# Allegro board zp-dic_pda_8ch_board_v001_166_20241018_1809.brd (continued)
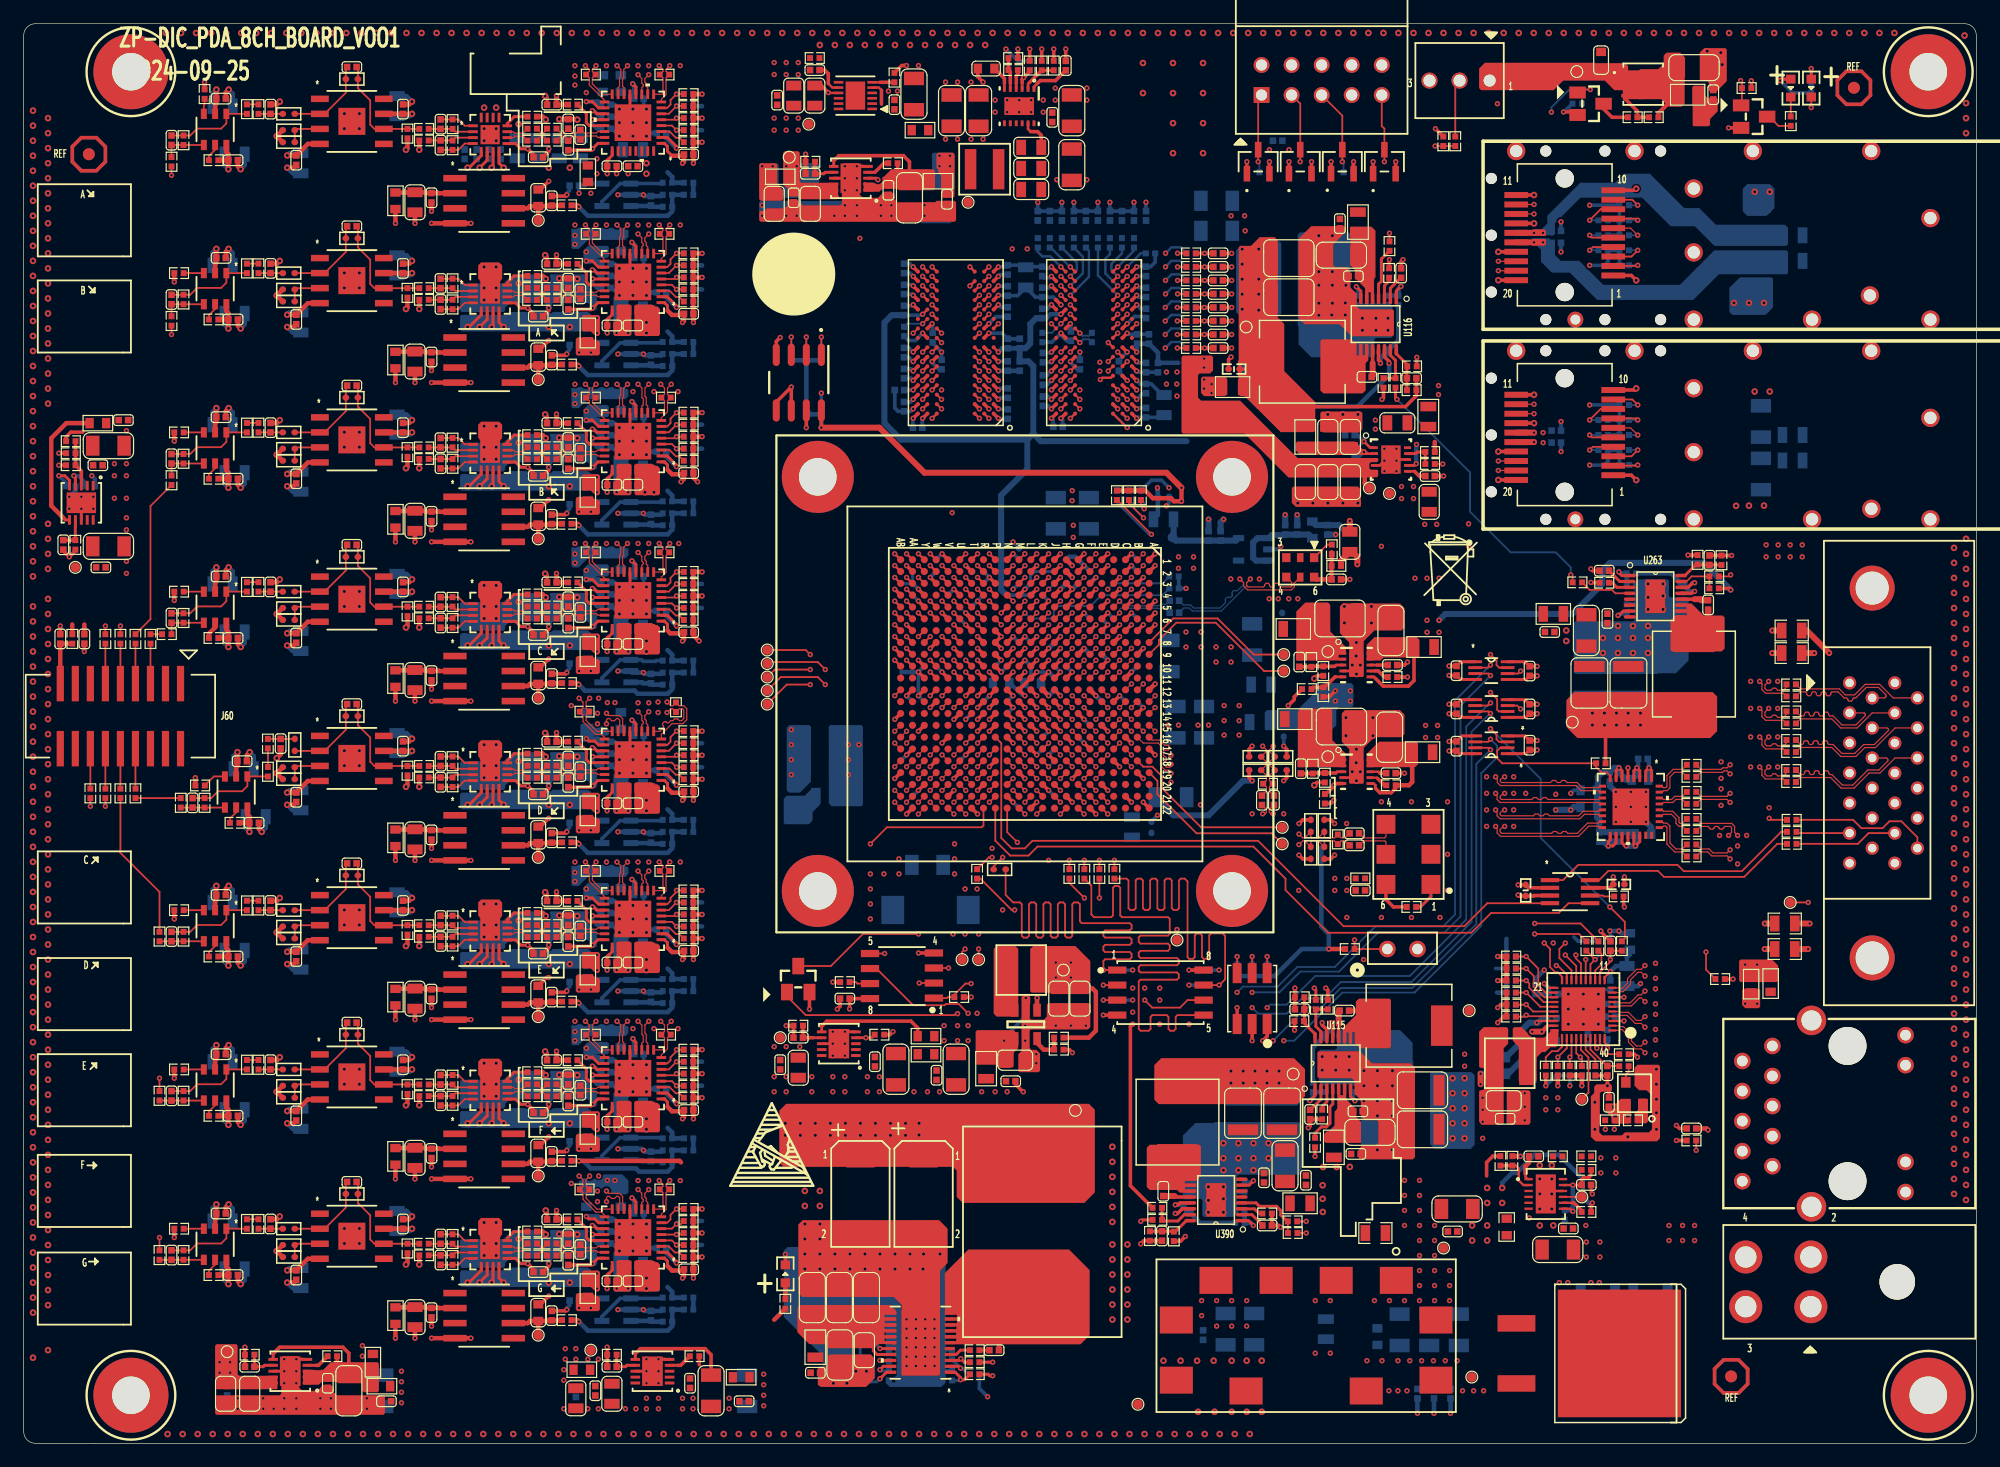
[diagram p0: board, top side]
## Routing (per net, layer and track width the routed paths; a pad name or vN(x,y) marks a point on that pad's centre or on a via; arc(x,y) is an arc through that point) (continued)
ADC7_VCM_OUT: length 10.1
  TOP w0.254: U360.9 41.56,109.87 42.01,109.42 v1(42.59,109.42)
  TOP w0.305: v1(42.59,109.42) 43.08,108.93 C3232.1
  TOP w0.381: v1(45.02,113.92) C3367.2 R3152.2
  ART08 w0.381: v1(45.02,113.92) 42.59,111.49 v1(42.59,109.42)
ADC7_VIO: length 6.8
  TOP w0.254: U384.12 51.74,114.04 51.74,114.64 v1(51.46,114.92)
  BOTTOM w0.381: R3144.1 R3146.1 R3148.1 57.32,111 ; R3144.1 R3142.1 ; R3144.1 57.32,113.03 ; v1(51.46,114.92) 51.59,114.79 C3362.2
ADC7_VREF: length 11.4
  TOP w0.381: R2198.2 46.78,104.65 v1(46.91,104.52)
  BOTTOM w0.381: v1(46.91,104.52) 47.67,103.76 54.42,103.76 54.8,104.14 R3154.2 R3156.1 R3158.1
ADC8_CLK_N: length 104.7
  TOP w0.102: U1.B13 v1(93.61,62.19) ; U387.16 48.45,19.8 47.52,20.73 47.52,21.19 R3160.1 47.52,21.74 47.52,22.29 v1(47.83,22.59)
  ART03 w0.102: v1(93.61,62.19) 93.23,62.19 93.13,62.29 93.13,62.48 93.34,62.69 94.23,62.69 95.13,63.59 95.96,63.59 96.06,63.49 101.01,63.49 101.87,62.62 101.87,50.46 99.21,47.79 99.21,42.59 97.56,40.94 97.56,34.84 89.9,27.18 79.17,27.18 76.12,24.13 65.38,24.13 60.63,19.38 54.27,19.38 54.11,19.53 50.91,19.53 50.71,19.74 50.5,19.74 50.3,19.53 50.1,19.53 49.89,19.74 49.69,19.74 49.49,19.53 48.71,19.53 47.58,20.66 47.58,22.35 v1(47.83,22.59)
ADC8_CLK_P: length 106.6
  TOP w0.102: U387.17 49.08,19.29 48.83,19.55 48.34,19.55 47.27,20.62 47.27,21.19 R3160.2 47.27,21.74 47.27,22.26 v1(46.94,22.59) ; U1.C13 v1(92.61,62.19)
  ART03 w0.102: v1(92.61,62.19) 92.83,62.19 92.93,62.29 92.93,62.56 93.26,62.89 94.15,62.89 95.05,63.79 96.04,63.79 96.14,63.89 101.18,63.89 102.28,62.79 102.28,50.29 99.61,47.63 99.61,42.42 97.96,40.77 97.96,34.67 90.06,26.77 79.34,26.77 76.29,23.72 65.54,23.72 60.79,18.97 54.1,18.97 53.95,19.13 48.54,19.13 47.18,20.49 47.18,22.35 v1(46.94,22.59)
ADC8_CNV_N: length 103.9
  TOP w0.102: v1(54.59,22.21) 54.28,21.89 54.28,21.74 R3159.1 54.28,21.19 54.28,19.76 53.88,19.37 U387.8 ; U1.D14 v1(91.61,61.19)
  ART03 w0.102: v1(91.61,61.19) 91.18,61.19 91.08,61.29 91.08,61.49 91.18,61.6 96.01,61.6 96.03,61.57 96.07,61.57 96.08,61.58 96.22,61.58 96.31,61.49 97.58,61.49 98.19,60.88 98.19,60.49 98.6,60.08 98.6,50.42 98.47,50.29 98.19,50.29 98.04,50.14 98.04,49.86 97.9,49.72 97.62,49.72 97.47,49.57 97.47,49.29 97.32,49.14 97.04,49.14 96.89,48.99 96.89,48.71 96.67,48.49 96.67,43.86 95.16,42.35 95.16,41.38 95.06,41.28 94.6,41.28 94.26,40.94 94.26,40.2 94.6,39.86 95.06,39.86 95.16,39.76 95.16,35.72 88.68,29.24 77.48,29.24 76.31,28.07 75.99,28.07 75.89,28.17 75.89,28.87 75.55,29.21 74.81,29.21 74.47,28.87 74.47,28.17 74.37,28.07 63.48,28.07 61.95,26.54 61.81,26.54 60.39,27.96 59.91,27.96 59.38,27.44 59.38,26.96 60.75,25.59 60.75,25.44 60.47,25.15 60.32,25.15 58.95,26.52 58.47,26.52 57.95,26 57.95,25.52 59.32,24.15 59.32,24 59.03,23.72 58.89,23.72 57.52,25.09 57.04,25.09 56.51,24.56 56.51,24.08 58.04,22.55 58.04,22.27 57.49,21.72 57.28,21.72 57.18,21.82 57.18,21.92 57.08,22.02 56.87,22.02 56.77,21.92 56.77,21.82 56.67,21.72 56.47,21.72 56.37,21.82 56.37,21.92 56.26,22.02 56.06,22.02 55.96,21.92 55.96,21.82 55.86,21.72 54.45,21.72 54.35,21.82 54.35,21.97 v1(54.59,22.21)
ADC8_CNV_P: length 104.7
  TOP w0.102: v1(53.7,22.21) 54.02,21.89 54.02,21.74 R3159.2 54.02,21.19 54.02,19.87 53.95,19.8 U387.9 ; U1.E14 v1(90.61,61.19)
  ART03 w0.102: v1(90.61,61.19) 90.78,61.19 90.88,61.29 90.88,61.58 91.1,61.8 96.01,61.8 96.11,61.9 97.75,61.9 98.6,61.05 98.6,60.66 99.01,60.25 99.01,50.25 97.07,48.32 97.07,43.69 95.57,42.18 95.57,41.21 95.23,40.88 94.76,40.88 94.66,40.77 94.66,40.37 94.76,40.27 95.23,40.27 95.57,39.93 95.57,35.55 88.85,28.83 77.64,28.83 76.48,27.66 75.82,27.66 75.48,28 75.48,28.7 75.38,28.8 74.98,28.8 74.87,28.7 74.87,28 74.54,27.66 63.65,27.66 62.12,26.14 61.64,26.14 60.22,27.56 60.08,27.56 59.79,27.27 59.79,27.12 61.16,25.75 61.16,25.27 60.63,24.75 60.15,24.75 58.79,26.12 58.64,26.12 58.35,25.83 58.35,25.69 59.72,24.32 59.72,23.84 59.2,23.31 58.72,23.31 57.35,24.68 57.2,24.68 56.92,24.39 56.92,24.25 58.44,22.72 58.44,22.1 57.65,21.31 54.29,21.31 53.95,21.65 53.95,21.97 v1(53.7,22.21)
ADC8_DATA_N: length 100.9
  TOP w0.102: v1(52.82,21.45) 52.82,21.45 52.49,21.12 52.49,20.84 52.61,20.72 52.61,20.48 52.73,20.35 U387.10 ; U1.A14 v1(95.6,62.19)
  ART03 w0.102: v1(95.6,62.19) 95.6,62.39 95.71,62.49 99.06,62.49 99.24,62.31 99.24,62.17 99.2,62.13 99.2,61.98 99.35,61.84 99.49,61.84 99.53,61.88 99.67,61.88 99.82,61.73 99.82,61.59 99.78,61.55 99.78,61.41 99.92,61.26 100.06,61.26 100.1,61.3 100.25,61.3 100.58,60.97 100.58,60.04 100.48,59.94 100.4,59.94 100.3,59.84 100.3,59.63 100.4,59.53 100.48,59.53 100.58,59.43 100.58,59.23 100.48,59.13 100.4,59.13 100.3,59.02 100.3,58.82 100.4,58.72 100.48,58.72 100.58,58.62 100.58,58.41 100.48,58.31 100.4,58.31 100.3,58.21 100.3,58.01 100.4,57.91 100.48,57.91 100.58,57.8 100.58,57.03 100.48,56.93 99.95,56.93 99.61,56.59 99.61,55.85 99.95,55.51 100.73,55.51 100.83,55.4 100.83,55 100.73,54.9 100.26,54.9 99.92,54.56 99.92,53.81 100.26,53.47 100.71,53.47 100.81,53.37 100.81,52.97 100.71,52.86 99.95,52.86 99.61,52.52 99.61,51.78 99.95,51.44 100.68,51.44 100.78,51.34 100.78,50.99 97.96,48.17 97.96,43.1 96.54,41.68 96.54,35.28 89.48,28.22 78.75,28.22 75.8,25.27 62.62,25.27 62.23,24.89 62.23,24.41 63.01,23.63 63.01,23.49 62.73,23.2 62.58,23.2 61.8,23.98 61.32,23.98 60.8,23.45 60.8,22.97 61.51,22.25 61.51,22.11 61.22,21.82 61.08,21.82 60.36,22.54 59.88,22.54 59.36,22.01 59.36,21.53 60.05,20.84 60.05,20.7 59.76,20.41 59.62,20.41 58.93,21.1 58.45,21.1 58.02,20.68 53.87,20.68 53.77,20.78 53.77,20.85 53.67,20.96 53.47,20.96 53.37,20.85 53.37,20.78 53.26,20.68 52.67,20.68 52.42,20.93 52.42,21.35 52.52,21.45 v1(52.82,21.45)
ADC8_DATA_P: length 100.7
  TOP w0.102: U1.A13 v1(95.6,63.19) ; U387.11 52.23,20.35 52.35,20.48 52.35,20.61 52.23,20.73 52.23,21.13 v1(51.91,21.45)
  ART03 w0.102: v1(51.91,21.45) 52.02,21.35 52.02,20.76 52.5,20.27 58.19,20.27 58.61,20.7 58.76,20.7 59.45,20 59.93,20 60.46,20.53 60.46,21.01 59.76,21.7 59.76,21.85 60.05,22.13 60.2,22.13 60.91,21.42 61.39,21.42 61.92,21.94 61.92,22.42 61.2,23.14 61.2,23.28 61.49,23.57 61.63,23.57 62.41,22.79 62.89,22.79 63.42,23.32 63.42,23.8 62.64,24.58 62.64,24.72 62.78,24.87 75.97,24.87 78.91,27.81 89.65,27.81 96.95,35.11 96.95,41.51 98.37,42.93 98.37,48.01 101.19,50.83 101.19,51.51 100.85,51.85 100.12,51.85 100.02,51.95 100.02,52.36 100.12,52.46 100.88,52.46 101.22,52.8 101.22,53.54 100.88,53.88 100.43,53.88 100.33,53.98 100.33,54.39 100.43,54.49 100.9,54.49 101.24,54.83 101.24,55.57 100.9,55.91 100.12,55.91 100.02,56.01 100.02,56.42 100.12,56.52 100.65,56.52 100.99,56.86 100.99,61.14 99.23,62.89 95.9,62.89 v1(95.6,63.19)
ADC8_DCO_N: length 103.7
  TOP w0.102: U387.14 50.73,20.16 50.62,20.27 50.62,20.86 50.34,21.13 49.44,21.13 v1(49.25,21.32) ; U1.C18 v1(93.6,57.19)
  ART03 w0.102: v1(93.6,57.19) 93.6,57.57 93.71,57.67 93.96,57.67 94.21,57.91 94.21,60.39 94.47,60.66 95.77,60.66 96.62,59.81 97.25,59.81 97.58,59.47 97.58,59.21 97.48,59.11 97.3,59.11 97.2,59.01 97.2,58.8 97.3,58.7 97.48,58.7 97.58,58.6 97.58,51.12 95.65,49.19 95.65,44.28 92.76,41.38 92.76,34.82 88.49,30.56 74.55,30.56 73.11,29.11 59.03,29.11 57.42,30.71 56.47,30.71 55.7,29.94 55.7,29.19 57.54,27.35 57.54,27.21 56.38,26.04 56.23,26.04 54.35,27.93 53.87,27.93 53.34,27.4 53.34,26.92 54.91,25.35 54.91,23.8 54.81,23.7 53.87,23.7 53.77,23.8 53.77,24.94 52.98,25.73 51.61,25.73 50.95,25.07 50.95,24.35 50.75,24.15 50.75,23.95 50.95,23.75 50.95,23.54 50.75,23.34 50.75,23.14 50.95,22.93 50.95,22.73 50.75,22.53 50.75,22.32 50.95,22.12 50.95,21.74 50.29,21.08 49.49,21.08 v1(49.25,21.32)
ADC8_DCO_P: length 103.8
  TOP w0.102: U387.15 50.23,20.14 50.36,20.27 50.36,20.75 50.24,20.88 50.1,20.88 49.93,20.7 49.67,20.7 49.49,20.88 49.36,20.88 49.25,20.76 v1(49.25,20.43) ; U1.C17 v1(93.6,58.19)
  ART03 w0.102: v1(93.6,58.19) 93.6,57.97 93.71,57.87 93.88,57.87 94,58 94,60.48 94.38,60.86 95.86,60.86 96.5,60.21 97.41,60.21 97.99,59.64 97.99,50.95 96.06,49.02 96.06,44.11 93.16,41.21 93.16,34.65 88.66,30.15 74.72,30.15 73.27,28.7 58.86,28.7 57.26,30.3 56.64,30.3 56.1,29.77 56.1,29.36 57.95,27.52 57.95,27.04 56.54,25.64 56.06,25.64 54.18,27.52 54.04,27.52 53.75,27.23 53.75,27.09 55.32,25.52 55.32,23.63 54.98,23.29 53.7,23.29 53.36,23.63 53.36,24.77 52.81,25.32 51.78,25.32 51.35,24.9 51.35,21.57 50.46,20.68 49.49,20.68 v1(49.25,20.43)
ADC8_EN0: length 2.7
  TOP w0.152: R3168.2 v1(55.16,16.76) 54.78,17.15 U387.4
  BOTTOM w0.152: R3168.2 v1(55.16,16.76)
ADC8_EN1: length 2.6
  TOP w0.152: R3166.2 55.65,17.65 v1(55.16,17.65) 55.04,17.65 55.03,17.65 U387.5
  BOTTOM w0.152: v1(55.16,17.65) 55.29,17.78 R3166.2
ADC8_EN2: length 2.9
  TOP w0.152: R3164.2 55.53,18.54 v1(55.16,18.54) 54.77,18.15 U387.6
  BOTTOM w0.152: v1(55.16,18.54) 55.16,18.64 55.32,18.8 R3164.2
ADC8_EN3: length 3.2
  TOP w0.152: R3162.2 v1(55.16,19.81) 54.66,19.3 54.66,18.92 54.38,18.65 U387.7
  BOTTOM w0.152: R3162.2 v1(55.16,19.81)
ADC8_IN+: length 4.8
  TOP w0.102: R2838.2 45.41,16.26 45.64,16.26 C3253.1 46.4,16.26 46.63,16.26 46.9,15.98 C3252.2 47.17,15.98 47.46,16.27 48.4,16.27 48.53,16.15 U387.23
ADC8_IN-: length 4.8
  TOP w0.102: U387.22 48.53,16.65 48.4,16.53 47.38,16.53 47.12,16.78 C3252.1 46.95,16.78 46.68,16.51 46.4,16.51 C3250.2 45.64,16.51 45.41,16.51 R2831.2
ADC8_VCM_OUT: length 10.1
  TOP w0.254: U364.9 41.56,15.63 42.01,15.19 v1(42.59,15.19)
  TOP w0.305: C3255.1 43.08,14.7 v1(42.59,15.19)
  TOP w0.381: R3173.2 C3381.2 v1(45.02,19.69)
  ART08 w0.381: v1(42.59,15.19) 42.59,17.25 v1(45.02,19.69)
ADC8_VIO: length 7
  TOP w0.254: v1(51.4,20.75) 51.74,20.41 51.74,19.8 U387.12
  BOTTOM w0.381: R3165.1 R3167.1 R3169.1 57.32,16.76 ; R3165.1 57.32,18.8 ; R3165.1 R3163.1 ; C3376.2 51.59,20.55 v1(51.4,20.75)
ADC8_VREF: length 11.4
  TOP w0.381: R2199.2 46.78,10.41 v1(46.91,10.29)
  BOTTOM w0.381: R3179.1 R3177.1 R3175.2 54.8,9.91 54.42,9.53 47.67,9.53 v1(46.91,10.29)
ADC_PWREN: length 162.7
  TOP w0.152: v1(71.55,50.67) 72.94,52.07 80.95,52.07 81.1,52.22 U1.R22 ; R3198.1 v1(108.38,17.78)
  TOP w0.305: R3200.1 v1(87.04,117.86)
  ART06 w0.114: v1(71.55,50.67) 70.63,50.67 67.93,53.37 67.93,59.6 64.65,62.87 64.65,85.3 68.63,89.28 68.63,97.92 75.87,105.16 83.87,105.16 85.64,106.93 85.64,116.46 v1(87.04,117.86)
  ART08 w0.102: v1(71.55,50.67) 70.66,49.78 70.66,41.78 75.8,36.64 75.8,31.31 76.88,30.23 76.88,29.46 78.53,27.81 91.74,27.81 93.14,26.42 93.14,19.18 94.28,18.03 98.73,18.03 98.98,17.78 v1(108.38,17.78)
CLK_SEL: length 115.4
  TOP w0.152: v1(112.46,42.55) R2120.2 J77.1 ; R2126.2 147.62,52.71 v1(147.49,52.83) ; U1.F14 v1(89.61,62.19)
  ART03 w0.102: v1(112.46,42.55) 114.09,42.55 114.6,43.05 119.17,43.05 126.92,50.8 v1(126.92,54.94)
  ART08 w0.102: v1(126.92,54.94) 126.46,54.48 122.86,54.48 120.7,56.64 117.39,56.64 116.89,57.15 114.85,57.15 112.82,59.18 108.78,59.18 107.87,60.1 107.87,62.36 107.11,63.12 106.22,63.12 103.65,60.55 100.86,60.55 100.53,60.22 96.41,60.22 95.83,60.81 94.74,60.81 93.82,61.72 90.08,61.72 v1(89.61,62.19) ; v1(147.49,52.83) 147.49,50.29 141.14,43.94 137.97,43.94 134.41,40.39 132.89,40.39 132.38,39.88 129.33,39.88 128.57,40.64 128.06,40.64 127.05,41.66 125.4,41.66 124.25,42.8 112.72,42.8 v1(112.46,42.55)
DDR3_A_A0: length 71.1
  TOP w0.203: U76.N3 v1(92.45,97.04) ; U75.N3 v1(80.76,97.04) ; U1.AB5 v1(73.6,71.19)
  ART06 w0.178: v1(80.76,97.04) 79.01,97.04 77.64,95.67 77.64,94.77 76.73,93.85 76.73,93.01 76.55,92.84 76.21,92.84 76.03,93.01 76.03,93.23 75.85,93.41 75.5,93.41 75.32,93.23 75.32,93.01 75.14,92.84 74.9,92.84 74.55,92.48 73.49,92.48 73.32,92.3 73.32,91.95 73.49,91.77 74.55,91.77 74.72,91.59 74.72,91.32 74.55,91.14 74.46,91.14 74.28,90.96 74.28,90.61 74.46,90.43 74.55,90.43 74.72,90.25 74.72,89.87 74.49,89.64 74.49,89.39 74.26,89.16 74.26,88.68 74.49,88.45 74.49,87.56 74.32,87.38 73.55,87.38 73.38,87.2 73.38,86.85 73.55,86.67 74.32,86.67 74.49,86.49 74.49,86.2 74.67,86.02 76.4,86.02 76.58,85.85 76.58,85.49 76.4,85.31 74.67,85.31 74.49,85.14 74.49,84.78 74.67,84.6 76.4,84.6 76.58,84.42 76.58,84.07 76.4,83.89 74.67,83.89 74.49,83.71 74.49,83.36 74.67,83.18 76.01,83.18 76.19,83 76.19,82.65 76.01,82.47 74.67,82.47 74.49,82.29 74.49,80.35 74.32,80.17 73.41,80.17 73.24,79.99 73.24,79.64 73.41,79.46 74.32,79.46 74.49,79.28 74.49,78.74 74.9,78.34 74.9,76.54 75.17,76.27 75.42,76.27 75.75,76.6 76,76.6 76.25,76.35 76.25,76.09 75.93,75.76 75.93,75.51 76.12,75.32 76.12,75.06 75.69,74.62 75.43,74.62 75.17,74.37 75.17,74.11 74.69,73.62 74.43,73.62 74.17,73.37 74.17,73.15 73.78,72.76 73.56,72.76 73.17,72.37 73.17,71.62 v1(73.6,71.19)
  ART08 w0.102: v1(92.45,97.04) 92.05,97.44 84.57,97.44 84.47,97.34 84.47,97.33 84.37,97.23 84.17,97.23 84.07,97.33 84.07,97.34 83.97,97.44 81.16,97.44 v1(80.76,97.04)
  BOTTOM w0.203: R460.2 90.77,98.71 v1(92.45,97.04)
DDR3_A_A1: length 70.8
  TOP w0.203: U1.AA8 v1(74.6,68.19) ; U76.P7 v1(88.45,97.84) ; U75.P7 v1(76.76,97.84)
  ART03 w0.102: v1(76.76,97.84) 77.65,97.84 78.85,99.04 83.16,99.04 83.26,98.94 83.26,98.77 83.36,98.67 83.56,98.67 83.67,98.77 83.67,98.94 83.77,99.04 85.59,99.04 86.39,98.24 87.88,98.24 88.28,97.84 v1(88.45,97.84)
  ART06 w0.102: v1(76.76,97.84) 77.11,97.84 77.31,97.64 77.31,96.85 77.1,96.64 74.94,96.64
  ART06 w0.178: v1(74.6,68.19) 74.12,68.67 71.05,68.67 70.64,69.08 70.64,74.06 70.92,74.33 71.7,74.33 71.88,74.51 71.88,74.86 71.7,75.04 70.92,75.04 70.74,75.22 70.74,75.6 70.92,75.78 73.28,75.78 73.45,75.96 73.45,76.31 73.28,76.49 70.92,76.49 70.74,76.67 70.74,77.02 70.92,77.2 73.28,77.2 73.45,77.38 73.45,77.73 73.28,77.91 70.92,77.91 70.74,78.09 70.74,78.47 71.46,79.19 71.46,95.99 72.11,96.64 72.37,96.64 72.55,96.82 72.55,97.05 72.73,97.22 73.09,97.22 73.26,97.05 73.26,96.82 73.44,96.64 74.94,96.64
  BOTTOM w0.203: R461.2 89.5,100.31 89.5,98.89 v1(88.45,97.84)
DDR3_A_A2: length 70.6
  TOP w0.203: U1.W11 v1(76.6,65.19) ; U76.P3 v1(92.45,97.84) ; U75.P3 v1(80.76,97.84)
  ART08 w0.102: v1(92.45,97.84) 92.05,98.24 81.16,98.24 v1(80.76,97.84) 80.35,97.43 78.77,97.43 77.96,98.24 74.77,98.24
  ART08 w0.165: 74.77,98.24 73.65,98.24 66.57,91.16 66.57,90.37 64.69,88.48 64.69,71.73 71.73,64.69 76.11,64.69 v1(76.6,65.19)
  BOTTOM w0.203: R462.2 91.79,100.51 91.41,100.13 91.41,98.88 v1(92.45,97.84)
DDR3_A_A3: length 73.1
  TOP w0.203: U1.AA6 v1(74.6,70.19) ; U76.N2 v1(93.25,97.04) ; R463.2 v1(97.5,98.3) ; U75.N2 v1(81.56,97.04)
  ART06 w0.102: 80.51,96.64 U75.N2 v1(81.56,97.04) 81.96,96.64 U76.N2 v1(93.25,97.04) 93.65,97.44 95.63,97.44 95.98,97.79 96.99,97.79 v1(97.5,98.3)
  ART06 w0.178: v1(74.6,70.19) 74.09,70.71 74.09,72.29 74.43,72.62 74.65,72.62 75.04,73.01 75.04,73.47 75.33,73.76 75.78,73.76 76.12,74.1 76.12,74.53 76.22,74.62 76.65,74.62 77.06,75.04 77.06,76.82 76.88,77 75.61,77 75.43,77.18 75.43,77.53 75.61,77.71 76.88,77.71 77.06,77.89 77.06,78.07 76.88,78.25 75.59,78.25 75.41,78.43 75.41,78.79 75.59,78.96 76.88,78.96 77.06,79.14 77.06,79.31 76.88,79.49 75.33,79.49 75.15,79.67 75.15,80.02 75.33,80.2 76.88,80.2 77.06,80.38 77.06,80.73 76.88,80.91 75.33,80.91 75.15,81.09 75.15,81.45 75.33,81.62 76.88,81.62 77.06,81.8 77.06,86.32 78,87.26 78,88.16 78.18,88.34 78.77,88.34 78.95,88.51 78.95,88.87 78.77,89.05 78.18,89.05 78,89.22 78,89.58 78.18,89.76 79.02,89.76 79.19,89.94 79.19,90.29 79.02,90.47 78.18,90.47 78,90.65 78,91 78.18,91.18 79.02,91.18 79.19,91.36 79.19,91.71 79.02,91.89 78.18,91.89 78,92.07 78,92.42 78.18,92.6 79.02,92.6 79.19,92.78 79.19,93.14 79.02,93.31 78.18,93.31 78,93.49 78,93.85 78.18,94.02 79.02,94.02 79.19,94.2 79.19,94.56 79.02,94.74 78.18,94.74 78,94.91 78,95.27 79.37,96.64 80.51,96.64
DDR3_A_A4: length 87.1
  TOP w0.203: U1.V10 v1(77.6,66.19) ; U76.P8 v1(87.65,97.84) ; U75.P8 v1(75.96,97.84)
  ART03 w0.102: v1(96.49,99.45) 95.28,98.24 90.08,98.24 89.28,97.44 88.28,97.44 87.88,97.84 v1(87.65,97.84) 87.42,97.84 87.02,97.44 86.17,97.44 85.37,98.24 83.71,98.24 83.61,98.14 83.61,97.98 83.5,97.88 83.3,97.88 83.2,97.98 83.2,98.14 83.1,98.24 79,98.24 78.2,97.44 U75.P8 v1(75.96,97.84) 75.56,97.44 74.84,97.44
  ART03 w0.165: v1(77.6,66.19) 77.6,65.96 77.14,65.49 77.14,65.06 76.79,64.72 74.19,64.72 73.63,65.28 71.89,65.28 69.26,67.91 69.26,74.46 69.1,74.62 68.04,74.62 67.87,74.79 67.87,75.12 68.04,75.28 69.1,75.28 69.26,75.45 69.26,75.78 69.1,75.94 68.04,75.94 67.87,76.11 67.87,76.44 68.04,76.6 69.1,76.6 69.26,76.77 69.26,77.1 69.1,77.26 68.04,77.26 67.87,77.43 67.87,77.76 68.04,77.92 69.1,77.92 69.26,78.09 69.26,78.42 69.1,78.58 68.04,78.58 67.87,78.75 67.87,79.08 68.04,79.24 69.1,79.24 69.26,79.41 69.26,80.43 69.65,80.81 69.65,84.32 68.09,85.88 68.09,86.43 68.25,86.6 68.49,86.6 68.65,86.76 68.65,87.09 68.49,87.26 68.25,87.26 68.09,87.42 68.09,87.75 68.25,87.92 68.49,87.92 68.65,88.08 68.65,88.41 68.49,88.58 68.25,88.58 68.09,88.74 68.09,93.38 68.32,93.62 68.56,93.62 68.86,93.31 69.1,93.31 69.33,93.55 69.33,93.78 69.02,94.08 69.02,94.32 69.99,95.28 69.99,96.51 70.92,97.44 71.71,97.44 71.99,97.16 72.37,97.16 72.66,97.44 73.03,97.44 73.32,97.16 73.69,97.16 73.98,97.44 74.84,97.44
  BOTTOM w0.203: R464.2 97.74,99.95 96.99,99.95 v1(96.49,99.45)
DDR3_A_A5: length 72.6
  TOP w0.203: U75.P2 v1(81.56,97.84) ; U76.P2 v1(93.25,97.84) ; U1.AB6 v1(73.6,70.19) ; R465.2 v1(97.5,99.44)
  ART06 w0.102: 75.74,95.04 76.93,95.04 77.26,95.37 77.26,95.76 78.94,97.44 U75.P2 v1(81.56,97.84) 81.96,97.44 84.18,97.44 84.38,97.63 84.59,97.63 84.78,97.44 U76.P2 v1(93.25,97.84) 93.65,98.24 94.9,98.24 95.6,98.93 96.99,98.93 v1(97.5,99.44)
  ART06 w0.178: v1(73.6,70.19) 72.93,70.86 72.68,70.86 72.19,70.37 71.94,70.37 71.69,70.63 71.69,70.88 72.18,71.37 72.18,71.62 71.64,72.16 71.64,72.55 71.81,72.73 72.53,72.73 73.43,73.62 73.67,73.62 74.17,74.13 74.17,74.37 74.43,74.62 74.65,74.62 75.04,75.01 75.04,75.51 74.42,76.12 74.42,78.14 73.68,78.88 73.05,78.88 72.43,79.51 72.43,80.68 72.6,80.86 73.83,80.86 74.01,81.04 74.01,81.4 73.83,81.57 72.6,81.57 72.43,81.75 72.43,82.11 72.6,82.28 73.83,82.28 74.01,82.46 74.01,82.82 73.83,83 72.6,83 72.43,83.17 72.43,83.53 72.6,83.71 73.83,83.71 74.01,83.89 74.01,84.24 73.83,84.42 72.6,84.42 72.43,84.6 72.43,84.95 72.6,85.13 73.83,85.13 74.01,85.31 74.01,85.66 73.83,85.84 72.6,85.84 72.43,86.02 72.43,86.26 72.44,86.27 72.44,86.6 72.61,86.78 72.69,86.78 72.87,86.96 72.87,87.31 72.69,87.49 72.61,87.49 72.44,87.67 72.44,87.82 72.61,88 73.58,88 73.76,88.18 73.76,90.79 72.68,91.86 72.68,92.86 74.86,95.04 75.74,95.04
DDR3_A_A6: length 77.7
  TOP w0.203: U76.R8 v1(87.65,98.64) ; U75.R8 v1(75.96,98.64) ; U1.AA9 v1(74.6,67.19)
  ART03 w0.102: v1(96.49,100.59) 94.93,99.04 89.41,99.04 88.61,98.24 88.28,98.24 87.88,98.64 v1(87.65,98.64)
  ART06 w0.102: v1(87.65,98.64) 87.25,98.24 84.79,98.24 84.68,98.34 84.68,98.44 84.58,98.54 84.38,98.54 84.28,98.44 84.28,98.34 84.18,98.24 U75.R8 v1(75.96,98.64) 75.56,98.24 74.94,98.24
  ART06 w0.178: v1(74.6,67.19) 74.17,66.76 73.43,66.76 73.28,66.9 72.93,66.9 72.75,67.08 72.75,67.5 72.57,67.68 72.21,67.68 72.04,67.5 72.04,67.08 71.86,66.9 71.68,66.9 71.5,67.08 71.5,67.52 71.32,67.7 70.97,67.7 70.79,67.52 70.79,67.08 70.61,66.9 70.41,66.9 70.23,67.08 70.23,68.02 70.05,68.19 69.69,68.19 69.52,68.02 69.52,67.33 69.34,67.15 69,67.15 68.18,67.97 68.18,76.19 68.36,76.37 69.48,76.37 69.66,76.54 69.66,76.9 69.48,77.08 68.36,77.08 68.18,77.26 68.18,77.97 68.48,78.27 68.73,78.27 69.18,77.82 69.43,77.82 69.68,78.07 69.68,78.32 69.23,78.77 69.23,79.02 70.5,80.29 70.5,96.39 70.91,96.8 72.53,98.43 74.76,98.43 74.94,98.24
  BOTTOM w0.203: v1(96.49,100.59) 96.98,101.09 97.74,101.09 R466.2
DDR3_A_A7: length 72.9
  TOP w0.203: U76.R2 v1(93.25,98.64) ; U75.R2 v1(81.56,98.64) ; v1(97.5,100.59) 98.24,100.59 R467.2 ; U1.AA10 v1(74.6,66.19)
  ART06 w0.102: v1(97.5,100.59) 96.96,100.05 95.46,100.05 94.45,99.04 93.65,99.04 v1(93.25,98.64) 92.85,99.04 81.96,99.04 v1(81.56,98.64)
  ART06 w0.178: v1(74.6,66.19) 73.51,65.1 69.69,65.1 67.21,67.57 67.21,78.37 69.53,80.69 69.53,96.79 73.07,100.33 79.87,100.33 v1(81.56,98.64)
DDR3_A_A8: length 77.8
  TOP w0.203: U75.T8 v1(75.96,99.44) ; U76.T8 v1(87.65,99.44) ; U1.U11 v1(78.6,65.19)
  ART03 w0.102: 74.81,99.04 75.56,99.04 v1(75.96,99.44) U75.T8 77.07,99.04 78.23,100.2 86.88,100.2 v1(87.65,99.44)
  ART03 w0.165: 74.81,99.04 73.9,99.04 73.61,98.75 73.24,98.75 72.95,99.04 72.57,99.04 72.29,98.75 71.91,98.75 71.63,99.04 71.04,99.04 65.7,93.7 65.7,93.13 65.86,92.97 66.26,92.97 66.43,92.8 66.43,92.47 66.26,92.3 65.86,92.3 65.7,92.14 65.7,89.93 65.86,89.76 66.27,89.76 66.44,89.6 66.44,89.27 66.27,89.1 65.86,89.1 65.7,88.94 65.7,88.61 65.86,88.44 66.27,88.44 66.44,88.28 66.44,87.95 66.27,87.78 65.86,87.78 65.7,87.62 65.7,85.99 65.4,85.69 65.4,85.45 65.78,85.07 65.78,84.83 65.55,84.6 65.32,84.6 64.93,84.99 64.69,84.99 64.22,84.51 64.22,79.96 66.93,77.25 66.93,68.67 66.82,68.56 66.82,68.32 67.05,68.09 67.28,68.09 67.4,68.21 67.63,68.21 67.87,67.97 67.87,67.74 67.75,67.62 67.75,67.39 67.98,67.16 68.22,67.16 68.33,67.27 68.57,67.27 68.8,67.04 68.8,66.8 68.68,66.69 68.68,66.45 68.92,66.22 69.15,66.22 69.27,66.34 69.5,66.34 71.55,64.29 73.1,64.29 73.38,64.01 77.64,64.01 78.6,64.97 v1(78.6,65.19)
  BOTTOM w0.203: R468.2 85.69,100.71 86.07,100.33 86.76,100.33 v1(87.65,99.44)
DDR3_A_A9: length 65.8
  TOP w0.203: U1.AB7 v1(73.6,69.19) ; U75.R3 v1(79.96,97.84) ; U76.R3 v1(92.45,98.64)
  ART06 w0.102: v1(79.96,97.84) 78.93,97.84 76.93,95.84 74.98,95.84
  ART06 w0.178: 74.98,95.84 74.54,95.4 74.29,95.4 73.72,95.98 73.47,95.98 73.22,95.72 73.22,95.47 73.79,94.9 73.79,94.65 73.47,94.33 73.22,94.33 72.7,94.85 72.45,94.85 72.2,94.6 72.2,94.35 72.72,93.83 72.72,93.58 71.94,92.8 71.94,92.58 72.2,92.32 72.2,91.87 71.94,91.61 71.94,91 72.12,90.82 73.04,90.82 73.22,90.64 73.22,90.29 73.04,90.11 72.12,90.11 71.94,89.93 71.94,89.55 72.12,89.37 73.1,89.37 73.28,89.19 73.28,88.84 73.1,88.66 72.12,88.66 71.94,88.48 71.94,78.73 72.28,78.4 73.48,78.4 73.94,77.94 73.94,75.59 74.13,75.4 74.13,74.91 73.92,74.7 72.75,74.7 71.13,73.07 71.13,69.53 71.46,69.19 v1(73.6,69.19)
  ART08 w0.102: v1(79.96,97.84) 81.16,99.04 92.05,99.04 v1(92.45,98.64)
  BOTTOM w0.203: v1(92.45,98.64) 91.91,99.17 91.91,99.7 92.8,100.58 R469.2
DDR3_A_A10: length 88.6
  TOP w0.203: U1.R7 v1(80.6,69.19) ; U76.L7 v1(88.45,95.44) ; U75.L7 v1(76.76,95.44)
  ART03 w0.102: v1(96.47,96.01) 96.29,95.84 90.45,95.84 90.05,95.44 v1(88.45,95.44) 88.05,95.04 84.44,95.04 84.34,94.94 84.34,94.64 84.24,94.53 84.03,94.53 83.93,94.64 83.93,94.94 83.83,95.04 U75.L7 v1(76.76,95.44) 76.36,95.04 74.61,95.04
  ART03 w0.165: v1(80.6,69.19) 80.06,69.74 80.06,70.49 79.8,70.74 79.55,70.74 79.17,70.36 79.17,68.87 79,68.71 78.28,68.71 78.15,68.83 78.15,70.57 77.99,70.74 77.26,70.74 77.14,70.61 77.14,68.12 76.73,67.72 76.01,67.72 75.84,67.55 75.84,67.16 75.68,67 75.35,67 75.18,67.16 75.18,67.55 75.02,67.72 73.48,67.72 72.25,68.95 72.25,69.23 72.41,69.4 73.1,69.4 73.27,69.56 73.27,69.89 73.1,70.06 72.41,70.06 72.25,70.22 72.25,75.91 72.72,76.38 72.72,76.89 72.55,77.06 72.22,77.06 72.05,77.22 72.05,77.55 72.22,77.72 72.55,77.72 72.72,77.89 72.72,78.22 72.55,78.38 72.22,78.38 72.05,78.55 72.05,78.88 72.22,79.04 72.55,79.04 72.72,79.21 72.72,79.54 72.55,79.7 72.22,79.7 72.05,79.87 72.05,80.2 72.22,80.36 72.55,80.36 72.72,80.53 72.72,80.86 72.55,81.02 72.22,81.02 72.05,81.19 72.05,81.52 72.22,81.68 72.55,81.68 72.72,81.85 72.72,82.18 72.55,82.34 72.22,82.34 72.05,82.51 72.05,82.84 72.22,83 72.55,83 72.72,83.17 72.72,83.5 72.55,83.66 72.22,83.66 72.05,83.83 72.05,84.16 72.22,84.32 72.55,84.32 72.72,84.49 72.72,84.82 72.55,84.98 72.22,84.98 72.05,85.15 72.05,85.48 72.22,85.64 72.55,85.64 72.72,85.81 72.72,86.33 71.82,87.23 71.82,87.3 71.66,87.46 71.25,87.46 71.08,87.63 71.08,87.96 71.25,88.12 71.66,88.12 71.82,88.29 71.82,88.62 71.66,88.78 71.25,88.78 71.08,88.95 71.08,89.28 71.25,89.44 71.66,89.44 71.82,89.61 71.82,89.94 71.66,90.1 71.25,90.1 71.08,90.27 71.08,90.6 71.25,90.76 71.66,90.76 71.82,90.93 71.82,91.26 71.66,91.42 71.25,91.42 71.08,91.59 71.08,91.92 71.25,92.08 71.66,92.08 72.69,93.12 72.69,93.35 72.17,93.87 72.17,94.11 72.4,94.34 72.64,94.34 73.16,93.82 73.39,93.82 73.62,94.05 73.62,94.29 73.1,94.81 73.1,95.04 73.34,95.28 73.57,95.28 74.09,94.75 74.33,94.75 74.61,95.04
  BOTTOM w0.203: v1(96.47,96.01) 96.98,96.52 97.74,96.52 R470.2
DDR3_A_A11: length 78.8
  TOP w0.203: U75.R7 v1(76.76,98.64) ; U1.U10 v1(78.6,66.19) ; U76.R7 v1(88.45,98.64)
  ART03 w0.102: v1(88.45,98.64) 88.05,99.04 86.48,99.04 85.65,99.87 83.62,99.87 83.52,99.77 83.52,99.76 83.42,99.66 83.21,99.66 83.11,99.76 83.11,99.77 83.01,99.87 78.66,99.87 77.43,98.64 v1(76.76,98.64) 76.36,98.24 74.9,98.24
  ART03 w0.165: 74.9,98.24 71.06,98.24 69.2,96.38 69.2,96.15 69.52,95.84 69.52,95.6 69.28,95.37 69.05,95.37 68.74,95.68 68.5,95.68 68.31,95.49 68.31,95.26 68.66,94.92 68.66,94.69 68.42,94.45 68.19,94.45 67.85,94.79 67.61,94.79 66.97,94.15 66.97,92.78 67.13,92.62 67.42,92.62 67.59,92.45 67.59,92.12 67.42,91.96 67.13,91.96 66.97,91.79 66.97,90.32 67.13,90.15 67.17,90.15 67.34,89.99 67.34,89.66 67.17,89.49 67.13,89.49 66.97,89.33 66.97,88.37 67.13,88.21 67.43,88.21 67.59,88.04 67.59,87.71 67.43,87.55 67.13,87.55 66.97,87.38 66.97,85.28 64.69,83 64.69,80.18 67.4,77.46 67.4,74.15 67.57,73.99 68.25,73.99 68.42,73.82 68.42,73.49 68.25,73.33 67.57,73.33 67.4,73.16 67.4,72.83 67.57,72.67 68.25,72.67 68.42,72.5 68.42,72.17 68.25,72.01 67.57,72.01 67.4,71.84 67.4,71.01 68.58,69.82 68.58,67.92 71.7,64.81 73.08,64.81 73.5,64.39 77.52,64.39 78.15,65.02 78.15,65.74 v1(78.6,66.19)
  BOTTOM w0.203: R471.2 88.99,99.8 88.99,99.19 v1(88.45,98.64)
